# Altium PCB WatchX_Pro.PcbDoc (part 2 of 2)
Units mil, origin at the board's own origin, x right, y up, seen from the top; angles counter-clockwise.
Board outline 1290.15 x 1742.13 mil, 2 copper layers (Top Layer, Bottom Layer); 83 components, 60 nets, 312 pads, 112 vias.
Unrouted connection lines stored in the file: 11.
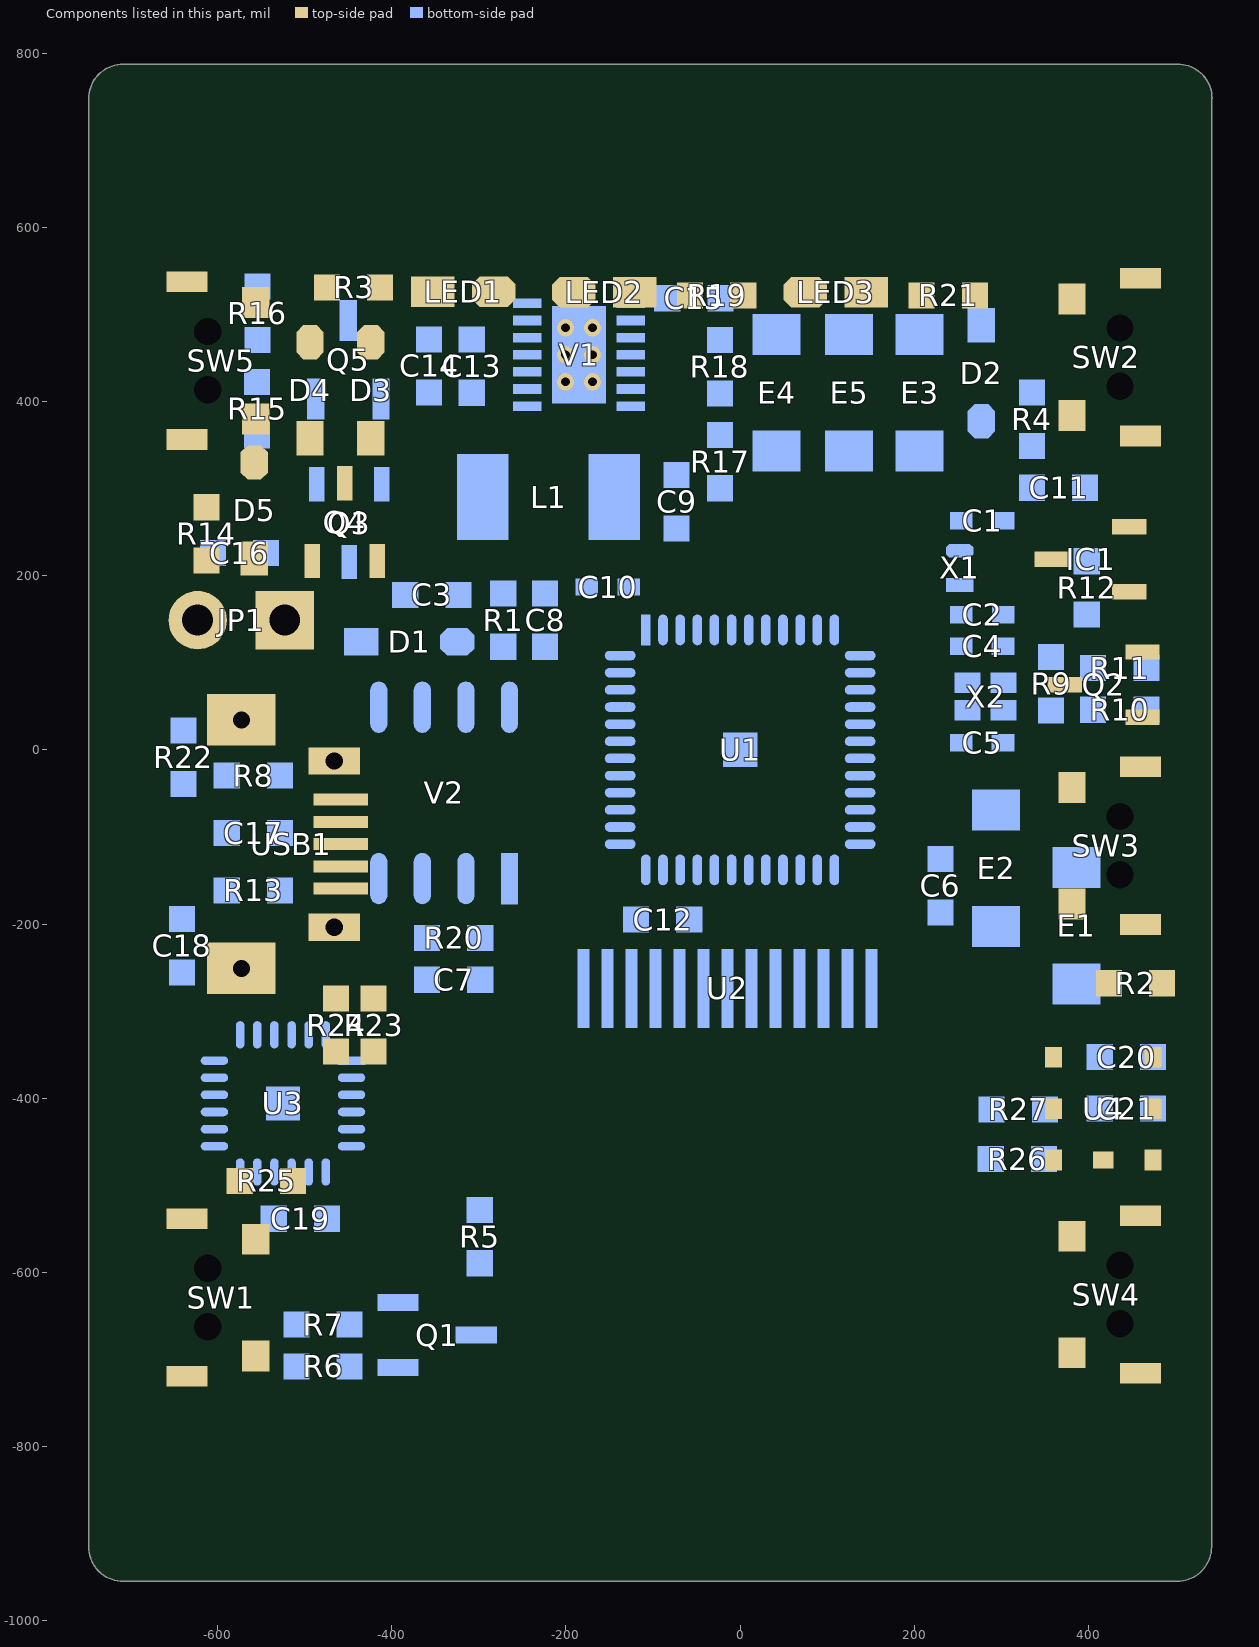
[diagram p2: the components of this part, seen from the top]

## Via types
v1: diameter 16, hole 8, Top Layer to Bottom Layer, tented both sides, 105 vias
v2: diameter 24, hole 12, Top Layer to Bottom Layer, tented both sides, 7 vias

## Nets (pads, with @x,y where several pads share a name; then routed paths per layer and width w, separated by ;. In a path a pad name is that pad's centre, name@x,y a point inside that pad or via, vN(x,y) a via of type N, cw(c..) or ccw(c..) an arc to the next point about the centre after c; other vN are vias at no path point) (continued)
copper on no net: | length 15235
  Bottom Layer w1: 172.58,-744 265.58,-744 ; 172.58,-611 275.58,-611 ; 173.58,-743 276.58,-743 ; 173.58,-612 276.58,-612 ; 174.58,-742 279.58,-742 ; 174.58,-614 280.58,-614 ; 174.58,-613 278.58,-613 ; 175.58,-741 282.58,-741 ; 175.58,-740 283.58,-740 ; 175.58,-615 282.58,-615 ; 176.58,-739 182.58,-739 ; 176.58,-738 183.58,-738 ; 176.58,-617 183.58,-617 ; 176.58,-616 182.58,-616 ; 177.58,-737 183.58,-737 ; 177.58,-618 183.58,-618 ; 178.58,-736 184.58,-736 ; 178.58,-619 184.58,-619 ; 179.58,-735 185.58,-735 ; 179.58,-734 185.58,-734 ; 179.58,-621 185.58,-621 ; 179.58,-620 185.58,-620 ; 180.58,-733 186.58,-733 ; 180.58,-623 186.58,-623 ; 180.58,-622 186.58,-622 ; 181.58,-732 187.58,-732 ; 181.58,-731 187.58,-731 ; 181.58,-624 187.58,-624 ; 182.58,-730 187.58,-730 ; 182.58,-729 188.58,-729 ; 182.58,-626 188.58,-626 ; 182.58,-625 187.58,-625 ; 183.58,-728 189.58,-728 ; 183.58,-627 189.58,-627 ; 184.58,-727 190.58,-727 ; 184.58,-726 190.58,-726 ; 184.58,-629 190.58,-629 ; 184.58,-628 190.58,-628 ; 185.58,-725 191.58,-725 ; 185.58,-724 192.58,-724 ; 185.58,-631 192.58,-631 ; 185.58,-630 191.58,-630 ; 186.58,-723 193.58,-723 ; 186.58,-632 193.58,-632 ; 187.58,-722 193.58,-722 ; 187.58,-721 194.58,-721 ; 187.58,-634 194.58,-634 ; 187.58,-633 193.58,-633 ; 188.58,-720 194.58,-720 ; 188.58,-635 194.58,-635 ; 189.58,-719 195.58,-719 ; 189.58,-637 196.58,-637 ; 189.58,-636 195.58,-636 ; 190.58,-718 196.58,-718 ; 190.58,-717 196.58,-717 ; 190.58,-716 197.58,-716 ; 190.58,-639 197.58,-639 ; 190.58,-638 196.58,-638 ; 192.58,-715 198.58,-715 ; 192.58,-714 198.58,-714 ; 192.58,-641 198.58,-641 ; 192.58,-640 198.58,-640 ; 193.58,-713 199.58,-713 ; 193.58,-712 199.58,-712 ; 193.58,-643 199.58,-643 ; 193.58,-642 199.58,-642 ; 194.58,-711 200.58,-711 ; 194.58,-644 200.58,-644 ; 195.58,-710 201.58,-710 ; 195.58,-709 201.58,-709 ; 195.58,-646 201.58,-646 ; 195.58,-645 201.58,-645 ; 196.58,-708 202.58,-708 ; 196.58,-647 202.58,-647 ; 197.58,-707 203.58,-707 ; 197.58,-706 203.58,-706 ; 197.58,-649 203.58,-649 ; 197.58,-648 203.58,-648 ; 198.58,-705 205.58,-705 ; 198.58,-704 205.58,-704 ; 198.58,-651 205.58,-651 ; 198.58,-650 204.58,-650 ; 199.58,-703 205.58,-703 ; 199.58,-652 205.58,-652 ; 200.58,-702 206.58,-702 ; 200.58,-701 207.58,-701 ; 200.58,-654 207.58,-654 ; 200.58,-653 206.58,-653 ; 201.58,-700 207.58,-700 ; 201.58,-656 208.58,-656 ; 201.58,-655 207.58,-655 ; 202.58,-699 208.58,-699 ; 202.58,-698 209.58,-698 ; 202.58,-657 208.58,-657 ; 203.58,-697 209.58,-697 ; 203.58,-658 209.58,-658 ; 204.58,-696 210.58,-696 ; 204.58,-659 210.58,-659 ; 205.58,-695 211.58,-695 ; 205.58,-694 211.58,-694 ; 205.58,-661 211.58,-661 ; 205.58,-660 211.58,-660 ; 206.58,-693 212.58,-693 ; 206.58,-692 212.58,-692 ; 206.58,-663 212.58,-663 ; 206.58,-662 212.58,-662 ; 207.58,-691 213.58,-691 ; 207.58,-665 213.58,-665 ; 207.58,-664 213.58,-664 ; 208.58,-690 213.58,-690 ; 208.58,-689 214.58,-689 ; 208.58,-666 214.58,-666 ; 209.58,-688 215.58,-688 ; 209.58,-687 215.58,-687 ; 209.58,-668 215.58,-668 ; 209.58,-667 215.58,-667 ; 210.58,-686 216.58,-686 ; 210.58,-669 216.58,-669 ; 211.58,-685 217.58,-685 ; 211.58,-684 218.58,-684 ; 211.58,-671 218.58,-671 ; 211.58,-670 217.58,-670 ; 212.58,-683 219.58,-683 ; 212.58,-672 218.58,-672 ; 213.58,-682 219.58,-682 ; 213.58,-681 220.58,-681 ; 213.58,-674 220.58,-674 ; 213.58,-673 219.58,-673 ; 214.58,-680 220.58,-680 ; 214.58,-676 221.58,-676 ; 214.58,-675 220.58,-675 ; 215.58,-679 221.58,-679 ; 215.58,-678 222.58,-678 ; 215.58,-677 221.58,-677 ; 224.58,-706 239.58,-706 ; 224.58,-705 238.58,-705 ; 224.58,-704 238.58,-704 ; 224.58,-703 238.58,-703 ; 224.58,-702 237.58,-702 ; 224.58,-701 231.58,-701 ; 225.58,-708 240.58,-708 ; 225.58,-707 239.58,-707 ; 225.58,-700 230.58,-700 ; 226.58,-710 241.58,-710 ; 226.58,-709 240.58,-709 ; 227.58,-711 241.58,-711 ; 227.58,-699 228.58,-699 ; 227.58,-681 242.58,-681 ; 227.58,-680 241.58,-680 ; 227.58,-679 240.58,-679 ; 227.58,-678 240.58,-678 ; 227.58,-677 240.58,-677 ; 227.58,-676 240.58,-676 ; 227.58,-675 239.58,-675 ; 227.58,-674 240.58,-674 ; 227.58,-673 262.58,-673 ; 228.58,-712 241.58,-712 ; 228.58,-690 234.58,-690 ; 228.58,-689 234.58,-689 ; 228.58,-688 234.58,-688 ; 228.58,-687 247.58,-687 ; 228.58,-686 246.58,-686 ; 228.58,-685 245.58,-685 ; 228.58,-684 244.58,-684 ; 228.58,-683 243.58,-683 ; 228.58,-682 242.58,-682 ; 228.58,-672 261.58,-672 ; 228.58,-671 260.58,-671 ; 228.58,-670 259.58,-670 ; 228.58,-669 258.58,-669 ; 228.58,-668 257.58,-668 ; 228.58,-667 255.58,-667 ; 228.58,-666 254.58,-666 ; 228.58,-665 252.58,-665 ; 228.58,-664 251.58,-664 ; 229.58,-714 243.58,-714 ; 229.58,-713 242.58,-713 ; 229.58,-694 235.58,-694 ; 229.58,-693 235.58,-693 ; 229.58,-692 234.58,-692 ; 229.58,-691 234.58,-691 ; 229.58,-663 250.58,-663 ; 229.58,-662 247.58,-662 ; 229.58,-661 246.58,-661 ; 229.58,-660 235.58,-660 ; 230.58,-697 236.58,-697 ; 230.58,-696 235.58,-696 ; 230.58,-695 235.58,-695 ; 230.58,-659 235.58,-659 ; 230.58,-658 235.58,-658 ; 231.58,-715 243.58,-715 ; 231.58,-700 237.58,-700 ; 231.58,-699 236.58,-699 ; 231.58,-698 236.58,-698 ; 231.58,-657 236.58,-657 ; 231.58,-656 236.58,-656 ; 231.58,-655 236.58,-655 ; 231.58,-654 237.58,-654 ; 232.58,-717 245.58,-717 ; 232.58,-716 245.58,-716 ; 232.58,-701 237.58,-701 ; 232.58,-653 237.58,-653 ; 232.58,-652 237.58,-652 ; 232.58,-651 238.58,-651 ; 233.58,-719 247.58,-719 ; 233.58,-718 246.58,-718 ; 233.58,-650 238.58,-650 ; 233.58,-649 238.58,-649 ; 233.58,-648 239.58,-648 ; 234.58,-720 248.58,-720 ; 234.58,-647 239.58,-647 ; 234.58,-646 240.58,-646 ; 234.58,-645 240.58,-645 ; 235.58,-721 249.58,-721 ; 235.58,-688 248.58,-688 ; 235.58,-644 241.58,-644 ; 235.58,-643 241.58,-643 ; 236.58,-722 250.58,-722 ; 236.58,-690 250.58,-690 ; 236.58,-689 249.58,-689 ; 236.58,-642 242.58,-642 ; 237.58,-723 252.58,-723 ; 237.58,-691 250.58,-691 ; 237.58,-660 241.58,-660 ; 237.58,-641 242.58,-641 ; 237.58,-640 243.58,-640 ; 238.58,-724 253.58,-724 ; 238.58,-692 250.58,-692 ; 238.58,-639 243.58,-639 ; 238.58,-638 245.58,-638 ; 238.58,-637 245.58,-637 ; 239.58,-725 254.58,-725 ; 239.58,-693 250.58,-693 ; 239.58,-636 245.58,-636 ; 240.58,-726 255.58,-726 ; 240.58,-694 250.58,-694 ; 240.58,-635 246.58,-635 ; 240.58,-634 247.58,-634 ; 241.58,-727 257.58,-727 ; 241.58,-695 250.58,-695 ; 241.58,-633 247.58,-633 ; 241.58,-632 248.58,-632 ; 242.58,-728 259.58,-728 ; 242.58,-696 249.58,-696 ; 242.58,-631 249.58,-631 ; 243.58,-729 261.58,-729 ; 243.58,-630 250.58,-630 ; 244.58,-697 249.58,-697 ; 244.58,-629 251.58,-629 ; 244.58,-592 257.58,-592 ; 244.58,-591 257.58,-591 ; 244.58,-590 257.58,-590 ; 244.58,-589 256.58,-589 ; 244.58,-588 257.58,-588 ; 244.58,-587 257.58,-587 ; 245.58,-730 263.58,-730 ; 245.58,-674 264.58,-674 ; 245.58,-628 252.58,-628 ; 245.58,-596 259.58,-596 ; 245.58,-595 258.58,-595 ; 245.58,-594 258.58,-594 ; 245.58,-593 258.58,-593 ; 245.58,-586 257.58,-586 ; 245.58,-585 258.58,-585 ; 245.58,-584 258.58,-584 ; 245.58,-583 259.58,-583 ; 245.58,-582 259.58,-582 ; 246.58,-732 289.58,-732 ; 246.58,-731 289.58,-731 ; 246.58,-627 253.58,-627 ; 246.58,-599 260.58,-599 ; 246.58,-598 260.58,-598 ; 246.58,-597 259.58,-597 ; 246.58,-581 260.58,-581 ; 246.58,-580 261.58,-580 ; 247.58,-733 289.58,-733 ; 247.58,-675 265.58,-675 ; 247.58,-626 253.58,-626 ; 247.58,-602 263.58,-602 ; 247.58,-601 262.58,-601 ; 247.58,-600 261.58,-600 ; 247.58,-579 263.58,-579 ; 247.58,-578 264.58,-578 ; 247.58,-577 289.58,-577 ; 248.58,-734 288.58,-734 ; 248.58,-676 266.58,-676 ; 248.58,-625 254.58,-625 ; 248.58,-624 255.58,-624 ; 248.58,-603 271.58,-603 ; 248.58,-576 290.58,-576 ; 249.58,-623 256.58,-623 ; 249.58,-605 269.58,-605 ; 249.58,-604 269.58,-604 ; 249.58,-575 290.58,-575 ; 250.58,-735 288.58,-735 ; 250.58,-678 267.58,-678 ; 250.58,-677 266.58,-677 ; 250.58,-622 258.58,-622 ; 250.58,-606 268.58,-606 ; 250.58,-574 291.58,-574 ; 251.58,-736 287.58,-736 ; 251.58,-621 259.58,-621 ; 251.58,-607 268.58,-607 ; 251.58,-573 285.58,-573 ; 252.58,-679 268.58,-679 ; 252.58,-620 260.58,-620 ; 252.58,-609 279.58,-609 ; 252.58,-608 281.58,-608 ; 252.58,-572 284.58,-572 ; 253.58,-737 286.58,-737 ; 253.58,-680 269.58,-680 ; 253.58,-619 261.58,-619 ; 253.58,-610 276.58,-610 ; 253.58,-571 283.58,-571 ; 253.58,-570 282.58,-570 ; 254.58,-681 269.58,-681 ; 254.58,-618 262.58,-618 ; 254.58,-569 281.58,-569 ; 255.58,-738 286.58,-738 ; 255.58,-683 272.58,-683 ; 255.58,-682 271.58,-682 ; 255.58,-617 288.58,-617 ; 256.58,-739 285.58,-739 ; 256.58,-568 279.58,-568 ; 257.58,-684 273.58,-684 ; 257.58,-616 285.58,-616 ; 258.58,-685 273.58,-685 ; 259.58,-746 266.58,-746 ; 259.58,-745 265.58,-745 ; 259.58,-686 274.58,-686 ; 259.58,-567 277.58,-567 ; 260.58,-747 266.58,-747 ; 260.58,-687 275.58,-687 ; 261.58,-748 267.58,-748 ; 261.58,-689 276.58,-689 ; 261.58,-688 276.58,-688 ; 261.58,-566 275.58,-566 ; 262.58,-750 268.58,-750 ; 262.58,-749 268.58,-749 ; 262.58,-691 278.58,-691 ; 262.58,-690 277.58,-690 ; 263.58,-751 269.58,-751 ; 263.58,-692 278.58,-692 ; 263.58,-618 291.58,-618 ; 264.58,-752 271.58,-752 ; 264.58,-693 279.58,-693 ; 264.58,-619 295.58,-619 ; 265.58,-754 272.58,-754 ; 265.58,-753 271.58,-753 ; 265.58,-695 280.58,-695 ; 265.58,-694 279.58,-694 ; 265.58,-602 272.58,-602 ; 265.58,-601 272.58,-601 ; 265.58,-565 271.58,-565 ; 266.58,-755 273.58,-755 ; 266.58,-744 277.58,-744 ; 266.58,-697 281.58,-697 ; 266.58,-696 280.58,-696 ; 266.58,-620 299.58,-620 ; 266.58,-600 273.58,-600 ; 267.58,-757 274.58,-757 ; 267.58,-756 273.58,-756 ; 267.58,-745 279.58,-745 ; 267.58,-698 281.58,-698 ; 267.58,-621 302.58,-621 ; 267.58,-599 273.58,-599 ; 268.58,-758 275.58,-758 ; 268.58,-746 281.58,-746 ; 268.58,-700 283.58,-700 ; 268.58,-699 282.58,-699 ; 268.58,-598 274.58,-598 ; 268.58,-597 275.58,-597 ; 269.58,-760 276.58,-760 ; 269.58,-759 275.58,-759 ; 269.58,-702 284.58,-702 ; 269.58,-701 283.58,-701 ; 269.58,-622 318.58,-622 ; 269.58,-596 275.58,-596 ; 269.58,-595 276.58,-595 ; 270.58,-761 276.58,-761 ; 270.58,-703 285.58,-703 ; 271.58,-762 277.58,-762 ; 271.58,-747 284.58,-747 ; 271.58,-705 285.58,-705 ; 271.58,-704 285.58,-704 ; 271.58,-623 319.58,-623 ; 271.58,-607 285.58,-607 ; 271.58,-594 277.58,-594 ; 272.58,-763 278.58,-763 ; 272.58,-707 286.58,-707 ; 272.58,-706 286.58,-706 ; 272.58,-593 278.58,-593 ; 272.58,-592 278.58,-592 ; 272.58,-578 290.58,-578 ; 273.58,-765 280.58,-765 ; 273.58,-764 279.58,-764 ; 273.58,-748 288.58,-748 ; 273.58,-730 290.58,-730 ; 273.58,-710 287.58,-710 ; 273.58,-709 287.58,-709 ; 273.58,-708 287.58,-708 ; 273.58,-624 320.58,-624 ; 273.58,-606 288.58,-606 ; 273.58,-591 279.58,-591 ; 273.58,-590 280.58,-590 ; 273.58,-579 291.58,-579 ; 274.58,-766 280.58,-766 ; 274.58,-729 290.58,-729 ; 274.58,-712 288.58,-712 ; 274.58,-711 288.58,-711 ; 274.58,-625 324.58,-625 ; 274.58,-589 280.58,-589 ; 274.58,-580 292.58,-580 ; 275.58,-768 282.58,-768 ; 275.58,-767 281.58,-767 ; 275.58,-749 293.58,-749 ; 275.58,-728 290.58,-728 ; 275.58,-715 289.58,-715 ; 275.58,-714 289.58,-714 ; 275.58,-713 288.58,-713 ; 275.58,-605 308.58,-605 ; 275.58,-588 281.58,-588 ; 276.58,-769 282.58,-769 ; 276.58,-727 290.58,-727 ; 276.58,-726 290.58,-726 ; 276.58,-725 290.58,-725 ; 276.58,-724 290.58,-724 ; 276.58,-721 290.58,-721 ; 276.58,-720 290.58,-720 ; 276.58,-719 290.58,-719 ; 276.58,-718 289.58,-718 ; 276.58,-717 289.58,-717 ; 276.58,-716 289.58,-716 ; 276.58,-587 297.58,-587 ; 276.58,-586 297.58,-586 ; 276.58,-581 293.58,-581 ; 277.58,-770 284.58,-770 ; 277.58,-750 300.58,-750 ; 277.58,-723 290.58,-723 ; 277.58,-722 290.58,-722 ; 277.58,-626 334.58,-626 ; 277.58,-604 308.58,-604 ; 277.58,-585 296.58,-585 ; 277.58,-582 294.58,-582 ; 278.58,-772 285.58,-772 ; 278.58,-771 285.58,-771 ; 278.58,-584 295.58,-584 ; 278.58,-583 294.58,-583 ; 279.58,-774 286.58,-774 ; 279.58,-773 286.58,-773 ; 279.58,-627 344.58,-627 ; 280.58,-775 287.58,-775 ; 280.58,-751 332.58,-751 ; 280.58,-603 332.58,-603 ; 281.58,-776 288.58,-776 ; 281.58,-628 356.58,-628 ; 282.58,-778 289.58,-778 ; 282.58,-777 288.58,-777 ; 282.58,-588 298.58,-588 ; 283.58,-589 299.58,-589 ; 284.58,-779 290.58,-779 ; 284.58,-752 329.58,-752 ; 284.58,-629 373.58,-629 ; 284.58,-602 329.58,-602 ; 284.58,-590 300.58,-590 ; 285.58,-781 291.58,-781 ; 285.58,-780 290.58,-780 ; 285.58,-591 300.58,-591 ; 286.58,-782 292.58,-782 ; 286.58,-700 296.58,-700 ; 286.58,-699 295.58,-699 ; 286.58,-698 294.58,-698 ; 286.58,-697 294.58,-697 ; 286.58,-696 293.58,-696 ; 286.58,-695 292.58,-695 ; 286.58,-694 291.58,-694 ; 286.58,-593 302.58,-593 ; 286.58,-592 301.58,-592 ; 286.58,-573 292.58,-573 ; 287.58,-784 293.58,-784 ; 287.58,-783 293.58,-783 ; 287.58,-753 326.58,-753 ; 287.58,-702 298.58,-702 ; 287.58,-701 297.58,-701 ; 287.58,-594 303.58,-594 ; 287.58,-572 293.58,-572 ; 287.58,-571 293.58,-571 ; 288.58,-786 295.58,-786 ; 288.58,-785 294.58,-785 ; 288.58,-705 299.58,-705 ; 288.58,-704 299.58,-704 ; 288.58,-703 298.58,-703 ; 288.58,-630 379.58,-630 ; 288.58,-601 325.58,-601 ; 288.58,-596 303.58,-596 ; 288.58,-595 303.58,-595 ; 288.58,-570 294.58,-570 ; 288.58,-569 295.58,-569 ; 289.58,-787 295.58,-787 ; 289.58,-706 300.58,-706 ; 289.58,-598 304.58,-598 ; 289.58,-597 304.58,-597 ; 289.58,-568 295.58,-568 ; 290.58,-789 297.58,-789 ; 290.58,-788 296.58,-788 ; 290.58,-708 301.58,-708 ; 290.58,-707 301.58,-707 ; 290.58,-631 381.58,-631 ; 290.58,-600 319.58,-600 ; 290.58,-599 314.58,-599 ; 290.58,-567 297.58,-567 ; 291.58,-790 298.58,-790 ; 291.58,-754 321.58,-754 ; 291.58,-709 302.58,-709 ; 291.58,-566 297.58,-566 ; 291.58,-565 298.58,-565 ; 292.58,-791 299.58,-791 ; 292.58,-711 304.58,-711 ; 292.58,-710 303.58,-710 ; 292.58,-564 299.58,-564 ; 293.58,-792 300.58,-792 ; 293.58,-712 305.58,-712 ; 293.58,-563 300.58,-563 ; 294.58,-794 301.58,-794 ; 294.58,-793 300.58,-793 ; 294.58,-714 306.58,-714 ; 294.58,-713 306.58,-713 ; 294.58,-671 319.58,-671 ; 294.58,-670 318.58,-670 ; 294.58,-669 317.58,-669 ; 294.58,-668 315.58,-668 ; 294.58,-667 313.58,-667 ; 294.58,-607 310.58,-607 ; 294.58,-606 309.58,-606 ; 294.58,-562 300.58,-562 ; 294.58,-561 301.58,-561 ; 295.58,-795 301.58,-795 ; 295.58,-715 307.58,-715 ; 295.58,-673 322.58,-673 ; 295.58,-672 321.58,-672 ; 295.58,-666 312.58,-666 ; 295.58,-632 382.58,-632 ; 295.58,-608 310.58,-608 ; 295.58,-560 302.58,-560 ; 296.58,-796 302.58,-796 ; 296.58,-716 308.58,-716 ; 296.58,-674 324.58,-674 ; 296.58,-665 310.58,-665 ; 296.58,-609 311.58,-609 ; 296.58,-559 302.58,-559 ; 297.58,-798 304.58,-798 ; 297.58,-797 303.58,-797 ; 297.58,-718 310.58,-718 ; 297.58,-717 310.58,-717 ; 297.58,-676 326.58,-676 ; 297.58,-675 325.58,-675 ; 297.58,-664 308.58,-664 ; 297.58,-611 312.58,-611 ; 297.58,-610 312.58,-610 ; 297.58,-558 303.58,-558 ; 297.58,-557 304.58,-557 ; 298.58,-799 304.58,-799 ; 298.58,-719 311.58,-719 ; 298.58,-678 328.58,-678 ; 298.58,-677 328.58,-677 ; 298.58,-663 306.58,-663 ; 298.58,-612 313.58,-612 ; 298.58,-556 304.58,-556 ; 299.58,-800 305.58,-800 ; 299.58,-755 314.58,-755 ; 299.58,-721 314.58,-721 ; 299.58,-720 312.58,-720 ; 299.58,-679 329.58,-679 ; 299.58,-614 314.58,-614 ; 299.58,-613 313.58,-613 ; 299.58,-555 305.58,-555 ; 300.58,-802 306.58,-802 ; 300.58,-801 306.58,-801 ; 300.58,-722 315.58,-722 ; 300.58,-680 330.58,-680 ; 300.58,-633 382.58,-633 ; 300.58,-616 315.58,-616 ; 300.58,-615 314.58,-615 ; 300.58,-554 306.58,-554 ; 300.58,-553 306.58,-553 ; 301.58,-804 313.58,-804 ; 301.58,-803 313.58,-803 ; 301.58,-723 335.58,-723 ; 301.58,-682 333.58,-682 ; 301.58,-681 332.58,-681 ; 301.58,-617 315.58,-617 ; 301.58,-552 313.58,-552 ; 302.58,-805 312.58,-805 ; 302.58,-725 335.58,-725 ; 302.58,-724 335.58,-724 ; 302.58,-683 316.58,-683 ; 302.58,-619 316.58,-619 ; 302.58,-618 316.58,-618 ; 302.58,-551 312.58,-551 ; 302.58,-550 312.58,-550 ; 303.58,-806 311.58,-806 ; 303.58,-726 335.58,-726 ; 303.58,-684 317.58,-684 ; 303.58,-634 382.58,-634 ; 303.58,-621 317.58,-621 ; 303.58,-620 317.58,-620 ; 303.58,-549 311.58,-549 ; 304.58,-807 310.58,-807 ; 304.58,-686 318.58,-686 ; 304.58,-685 317.58,-685 ; 304.58,-548 310.58,-548 ; 305.58,-809 308.58,-809 ; 305.58,-808 309.58,-808 ; 305.58,-727 335.58,-727 ; 305.58,-687 319.58,-687 ; 305.58,-547 309.58,-547 ; 305.58,-546 308.58,-546 ; 306.58,-810 308.58,-810 ; 306.58,-728 335.58,-728 ; 306.58,-688 319.58,-688 ; 306.58,-545 307.58,-545 ; 307.58,-802 314.58,-802 ; 307.58,-729 335.58,-729 ; 307.58,-690 320.58,-690 ; 307.58,-689 320.58,-689 ; 307.58,-553 314.58,-553 ; 308.58,-801 315.58,-801 ; 308.58,-730 335.58,-730 ; 308.58,-692 321.58,-692 ; 308.58,-691 321.58,-691 ; 308.58,-635 382.58,-635 ; 308.58,-554 315.58,-554 ; 309.58,-800 315.58,-800 ; 309.58,-731 334.58,-731 ; 309.58,-693 322.58,-693 ; 309.58,-555 315.58,-555 ; 310.58,-799 316.58,-799 ; 310.58,-798 316.58,-798 ; 310.58,-732 334.58,-732 ; 310.58,-694 322.58,-694 ; 310.58,-557 316.58,-557 ; 310.58,-556 316.58,-556 ; 311.58,-797 317.58,-797 ; 311.58,-733 334.58,-733 ; 311.58,-696 324.58,-696 ; 311.58,-695 323.58,-695 ; 311.58,-558 317.58,-558 ; 312.58,-796 318.58,-796 ; 312.58,-734 333.58,-734 ; 312.58,-698 325.58,-698 ; 312.58,-697 324.58,-697 ; 312.58,-636 382.58,-636 ; 312.58,-560 319.58,-560 ; 312.58,-559 318.58,-559 ; 313.58,-795 319.58,-795 ; 313.58,-794 319.58,-794 ; 313.58,-750 335.58,-750 ; 313.58,-700 326.58,-700 ; 313.58,-699 326.58,-699 ; 313.58,-638 382.58,-638 ; 313.58,-637 382.58,-637 ; 313.58,-604 335.58,-604 ; 313.58,-561 319.58,-561 ; 314.58,-793 320.58,-793 ; 314.58,-735 333.58,-735 ; 314.58,-701 327.58,-701 ; 314.58,-640 328.58,-640 ; 314.58,-639 328.58,-639 ; 314.58,-562 320.58,-562 ; 315.58,-792 321.58,-792 ; 315.58,-791 322.58,-791 ; 315.58,-736 332.58,-736 ; 315.58,-704 328.58,-704 ; 315.58,-703 328.58,-703 ; 315.58,-702 328.58,-702 ; 315.58,-642 329.58,-642 ; 315.58,-641 328.58,-641 ; 315.58,-564 322.58,-564 ; 315.58,-563 321.58,-563 ; 316.58,-790 322.58,-790 ; 316.58,-706 329.58,-706 ; 316.58,-705 329.58,-705 ; 316.58,-644 330.58,-644 ; 316.58,-643 329.58,-643 ; 316.58,-565 322.58,-565 ; 317.58,-789 323.58,-789 ; 317.58,-737 331.58,-737 ; 317.58,-708 330.58,-708 ; 317.58,-707 330.58,-707 ; 317.58,-683 333.58,-683 ; 317.58,-646 331.58,-646 ; 317.58,-645 330.58,-645 ; 317.58,-567 324.58,-567 ; 317.58,-566 323.58,-566 ; 318.58,-788 324.58,-788 ; 318.58,-787 325.58,-787 ; 318.58,-710 331.58,-710 ; 318.58,-709 330.58,-709 ; 318.58,-647 332.58,-647 ; 318.58,-568 325.58,-568 ; 319.58,-786 326.58,-786 ; 319.58,-785 326.58,-785 ; 319.58,-713 332.58,-713 ; 319.58,-712 332.58,-712 ; 319.58,-711 331.58,-711 ; 319.58,-684 335.58,-684 ; 319.58,-649 333.58,-649 ; 319.58,-648 332.58,-648 ; 319.58,-569 326.58,-569 ; 320.58,-784 327.58,-784 ; 320.58,-749 337.58,-749 ; 320.58,-738 330.58,-738 ; 320.58,-722 334.58,-722 ; 320.58,-715 333.58,-715 ; 320.58,-714 333.58,-714 ; 320.58,-651 333.58,-651 ; 320.58,-650 333.58,-650 ; 320.58,-605 337.58,-605 ; 320.58,-571 327.58,-571 ; 320.58,-570 326.58,-570 ; 321.58,-783 328.58,-783 ; 321.58,-721 334.58,-721 ; 321.58,-720 334.58,-720 ; 321.58,-719 334.58,-719 ; 321.58,-718 333.58,-718 ; 321.58,-717 333.58,-717 ; 321.58,-716 333.58,-716 ; 321.58,-685 335.58,-685 ; 321.58,-653 334.58,-653 ; 321.58,-652 334.58,-652 ; 321.58,-573 328.58,-573 ; 321.58,-572 327.58,-572 ; 322.58,-782 328.58,-782 ; 322.58,-781 329.58,-781 ; 322.58,-686 351.58,-686 ; 322.58,-656 336.58,-656 ; 322.58,-655 335.58,-655 ; 322.58,-654 335.58,-654 ; 322.58,-574 329.58,-574 ; 323.58,-780 330.58,-780 ; 323.58,-575 330.58,-575 ; 324.58,-779 330.58,-779 ; 324.58,-687 351.58,-687 ; 324.58,-658 337.58,-658 ; 324.58,-657 337.58,-657 ; 324.58,-576 330.58,-576 ; 325.58,-778 331.58,-778 ; 325.58,-748 340.58,-748 ; 325.58,-660 338.58,-660 ; 325.58,-659 338.58,-659 ; 325.58,-606 340.58,-606 ; 325.58,-577 331.58,-577 ; 326.58,-777 332.58,-777 ; 326.58,-688 352.58,-688 ; 326.58,-662 339.58,-662 ; 326.58,-661 339.58,-661 ; 326.58,-579 333.58,-579 ; 326.58,-578 332.58,-578 ; 327.58,-776 333.58,-776 ; 327.58,-775 333.58,-775 ; 327.58,-689 352.58,-689 ; 327.58,-664 340.58,-664 ; 327.58,-663 340.58,-663 ; 327.58,-580 333.58,-580 ; 328.58,-774 334.58,-774 ; 328.58,-690 353.58,-690 ; 328.58,-666 341.58,-666 ; 328.58,-665 341.58,-665 ; 328.58,-607 342.58,-607 ; 328.58,-581 334.58,-581 ; 329.58,-773 335.58,-773 ; 329.58,-772 335.58,-772 ; 329.58,-747 342.58,-747 ; 329.58,-691 353.58,-691 ; 329.58,-668 342.58,-668 ; 329.58,-667 342.58,-667 ; 329.58,-583 335.58,-583 ; 329.58,-582 335.58,-582 ; 330.58,-771 336.58,-771 ; 330.58,-770 337.58,-770 ; 330.58,-693 354.58,-693 ; 330.58,-692 353.58,-692 ; 330.58,-671 343.58,-671 ; 330.58,-670 343.58,-670 ; 330.58,-669 343.58,-669 ; 330.58,-585 337.58,-585 ; 330.58,-584 336.58,-584 ; 331.58,-769 338.58,-769 ; 331.58,-672 344.58,-672 ; 331.58,-608 344.58,-608 ; 331.58,-586 338.58,-586 ; 332.58,-768 339.58,-768 ; 332.58,-746 344.58,-746 ; 332.58,-694 354.58,-694 ; 332.58,-674 345.58,-674 ; 332.58,-673 344.58,-673 ; 332.58,-587 338.58,-587 ; 333.58,-767 339.58,-767 ; 333.58,-766 340.58,-766 ; 333.58,-695 355.58,-695 ; 333.58,-677 347.58,-677 ; 333.58,-676 346.58,-676 ; 333.58,-675 346.58,-675 ; 333.58,-589 340.58,-589 ; 333.58,-588 339.58,-588 ; 334.58,-765 341.58,-765 ; 334.58,-745 346.58,-745 ; 334.58,-697 355.58,-697 ; 334.58,-696 355.58,-696 ; 334.58,-679 347.58,-679 ; 334.58,-678 347.58,-678 ; 334.58,-609 346.58,-609 ; 334.58,-590 341.58,-590 ; 335.58,-764 341.58,-764 ; 335.58,-763 342.58,-763 ; 335.58,-744 346.58,-744 ; 335.58,-698 356.58,-698 ; 335.58,-682 349.58,-682 ; 335.58,-681 348.58,-681 ; 335.58,-680 348.58,-680 ; 335.58,-592 342.58,-592 ; 335.58,-591 341.58,-591 ; 336.58,-683 349.58,-683 ; 336.58,-610 347.58,-610 ; 336.58,-593 343.58,-593 ; 337.58,-762 343.58,-762 ; 337.58,-761 344.58,-761 ; 337.58,-700 357.58,-700 ; 337.58,-699 356.58,-699 ; 337.58,-685 350.58,-685 ; 337.58,-684 350.58,-684 ; 337.58,-594 343.58,-594 ; 338.58,-760 344.58,-760 ; 338.58,-743 348.58,-743 ; 338.58,-701 357.58,-701 ; 338.58,-639 381.58,-639 ; 338.58,-611 348.58,-611 ; 338.58,-595 344.58,-595 ; 339.58,-759 345.58,-759 ; 339.58,-758 346.58,-758 ; 339.58,-702 357.58,-702 ; 339.58,-596 345.58,-596 ; 340.58,-757 346.58,-757 ; 340.58,-742 350.58,-742 ; 340.58,-703 358.58,-703 ; 340.58,-612 440.58,-612 ; 340.58,-598 346.58,-598 ; 340.58,-597 346.58,-597 ; 341.58,-756 347.58,-756 ; 341.58,-755 348.58,-755 ; 341.58,-705 358.58,-705 ; 341.58,-704 358.58,-704 ; 341.58,-600 347.58,-600 ; 341.58,-599 347.58,-599 ; 342.58,-754 348.58,-754 ; 342.58,-741 439.58,-741 ; 342.58,-707 360.58,-707 ; 342.58,-706 359.58,-706 ; 342.58,-613 440.58,-613 ; 342.58,-601 348.58,-601 ; 343.58,-753 350.58,-753 ; 343.58,-752 350.58,-752 ; 343.58,-708 360.58,-708 ; 343.58,-614 439.58,-614 ; 343.58,-603 350.58,-603 ; 343.58,-602 349.58,-602 ; 344.58,-751 351.58,-751 ; 344.58,-740 438.58,-740 ; 344.58,-710 361.58,-710 ; 344.58,-709 360.58,-709 ; 344.58,-604 351.58,-604 ; 345.58,-750 352.58,-750 ; 345.58,-739 354.58,-739 ; 345.58,-711 361.58,-711 ; 345.58,-615 439.58,-615 ; 345.58,-605 351.58,-605 ; 346.58,-749 353.58,-749 ; 346.58,-712 361.58,-712 ; 346.58,-607 353.58,-607 ; 346.58,-606 353.58,-606 ; 347.58,-748 353.58,-748 ; 347.58,-747 354.58,-747 ; 347.58,-738 355.58,-738 ; 347.58,-714 363.58,-714 ; 347.58,-713 362.58,-713 ; 347.58,-616 355.58,-616 ; 347.58,-608 354.58,-608 ; 348.58,-746 355.58,-746 ; 348.58,-737 357.58,-737 ; 348.58,-716 364.58,-716 ; 348.58,-715 363.58,-715 ; 348.58,-617 357.58,-617 ; 348.58,-609 354.58,-609 ; 349.58,-745 355.58,-745 ; 349.58,-744 441.58,-744 ; 349.58,-717 364.58,-717 ; 349.58,-611 441.58,-611 ; 349.58,-610 355.58,-610 ; 350.58,-743 440.58,-743 ; 350.58,-736 370.58,-736 ; 350.58,-719 365.58,-719 ; 350.58,-718 364.58,-718 ; 350.58,-618 358.58,-618 ; 351.58,-742 440.58,-742 ; 351.58,-735 370.58,-735 ; 351.58,-721 371.58,-721 ; 351.58,-720 365.58,-720 ; 351.58,-640 380.58,-640 ; 351.58,-619 359.58,-619 ; 352.58,-722 371.58,-722 ; 353.58,-734 370.58,-734 ; 353.58,-725 368.58,-725 ; 353.58,-724 369.58,-724 ; 353.58,-723 370.58,-723 ; 353.58,-620 360.58,-620 ; 354.58,-733 369.58,-733 ; 354.58,-727 368.58,-727 ; 354.58,-726 368.58,-726 ; 354.58,-621 361.58,-621 ; 355.58,-732 369.58,-732 ; 355.58,-731 369.58,-731 ; 355.58,-729 368.58,-729 ; 355.58,-728 368.58,-728 ; 355.58,-622 363.58,-622 ; 356.58,-730 369.58,-730 ; 356.58,-623 364.58,-623 ; 357.58,-624 364.58,-624 ; 358.58,-625 365.58,-625 ; 359.58,-738 371.58,-738 ; 359.58,-737 371.58,-737 ; 359.58,-626 366.58,-626 ; 360.58,-739 371.58,-739 ; 360.58,-628 367.58,-628 ; 360.58,-627 367.58,-627 ; 366.58,-720 372.58,-720 ; 366.58,-641 379.58,-641 ; 367.58,-719 373.58,-719 ; 367.58,-718 373.58,-718 ; 368.58,-717 374.58,-717 ; 368.58,-716 374.58,-716 ; 369.58,-715 375.58,-715 ; 369.58,-714 376.58,-714 ; 370.58,-713 376.58,-713 ; 370.58,-642 377.58,-642 ; 371.58,-712 377.58,-712 ; 371.58,-711 377.58,-711 ; 371.58,-710 378.58,-710 ; 371.58,-644 378.58,-644 ; 371.58,-643 377.58,-643 ; 372.58,-709 378.58,-709 ; 372.58,-645 378.58,-645 ; 373.58,-708 378.58,-708 ; 373.58,-707 379.58,-707 ; 373.58,-647 379.58,-647 ; 373.58,-646 378.58,-646 ; 374.58,-706 379.58,-706 ; 374.58,-705 380.58,-705 ; 374.58,-704 380.58,-704 ; 374.58,-650 380.58,-650 ; 374.58,-649 380.58,-649 ; 374.58,-648 379.58,-648 ; 375.58,-703 380.58,-703 ; 375.58,-702 381.58,-702 ; 375.58,-652 381.58,-652 ; 375.58,-651 380.58,-651 ; 376.58,-701 381.58,-701 ; 376.58,-700 381.58,-700 ; 376.58,-699 382.58,-699 ; 376.58,-655 382.58,-655 ; 376.58,-654 381.58,-654 ; 376.58,-653 381.58,-653 ; 377.58,-698 382.58,-698 ; 377.58,-697 382.58,-697 ; 377.58,-696 382.58,-696 ; 377.58,-658 382.58,-658 ; 377.58,-657 382.58,-657 ; 377.58,-656 382.58,-656 ; 378.58,-695 383.58,-695 ; 378.58,-694 383.58,-694 ; 378.58,-693 383.58,-693 ; 378.58,-692 383.58,-692 ; 378.58,-691 383.58,-691 ; 378.58,-690 384.58,-690 ; 378.58,-664 384.58,-664 ; 378.58,-663 383.58,-663 ; 378.58,-662 383.58,-662 ; 378.58,-661 383.58,-661 ; 378.58,-660 383.58,-660 ; 378.58,-659 383.58,-659 ; 379.58,-689 384.58,-689 ; 379.58,-688 384.58,-688 ; 379.58,-687 384.58,-687 ; 379.58,-686 384.58,-686 ; 379.58,-685 384.58,-685 ; 379.58,-684 384.58,-684 ; 379.58,-683 384.58,-683 ; 379.58,-682 384.58,-682 ; 379.58,-681 385.58,-681 ; 379.58,-680 385.58,-680 ; 379.58,-679 385.58,-679 ; 379.58,-675 385.58,-675 ; 379.58,-674 385.58,-674 ; 379.58,-673 385.58,-673 ; 379.58,-672 384.58,-672 ; 379.58,-671 384.58,-671 ; 379.58,-670 384.58,-670 ; 379.58,-669 384.58,-669 ; 379.58,-668 384.58,-668 ; 379.58,-667 384.58,-667 ; 379.58,-666 384.58,-666 ; 379.58,-665 384.58,-665 ; 380.58,-678 385.58,-678 ; 380.58,-677 385.58,-677 ; 380.58,-676 385.58,-676 ; 392.58,-678 398.58,-678 ; 393.58,-679 399.58,-679 ; 393.58,-677 399.58,-677 ; 393.58,-676 399.58,-676 ; 394.58,-680 400.58,-680 ; 394.58,-675 400.58,-675 ; 395.58,-682 401.58,-682 ; 395.58,-681 401.58,-681 ; 395.58,-674 401.58,-674 ; 395.58,-673 401.58,-673 ; 396.58,-684 403.58,-684 ; 396.58,-683 402.58,-683 ; 396.58,-672 402.58,-672 ; 397.58,-685 403.58,-685 ; 397.58,-671 403.58,-671 ; 397.58,-670 404.58,-670 ; 398.58,-687 405.58,-687 ; 398.58,-686 404.58,-686 ; 398.58,-669 404.58,-669 ; 398.58,-668 405.58,-668 ; 399.58,-688 405.58,-688 ; 399.58,-667 405.58,-667 ; 400.58,-690 406.58,-690 ; 400.58,-689 406.58,-689 ; 400.58,-666 406.58,-666 ; 400.58,-665 407.58,-665 ; 401.58,-692 408.58,-692 ; 401.58,-691 407.58,-691 ; 401.58,-664 407.58,-664 ; 401.58,-663 408.58,-663 ; 402.58,-693 408.58,-693 ; 403.58,-694 409.58,-694 ; 403.58,-662 408.58,-662 ; 403.58,-661 409.58,-661 ; 404.58,-696 410.58,-696 ; 404.58,-695 410.58,-695 ; 404.58,-660 410.58,-660 ; 404.58,-659 410.58,-659 ; 405.58,-698 411.58,-698 ; 405.58,-697 411.58,-697 ; 405.58,-658 411.58,-658 ; 406.58,-699 412.58,-699 ; 406.58,-657 412.58,-657 ; 406.58,-656 412.58,-656 ; 407.58,-700 413.58,-700 ; 407.58,-655 413.58,-655 ; 408.58,-702 414.58,-702 ; 408.58,-701 414.58,-701 ; 408.58,-654 414.58,-654 ; 408.58,-653 414.58,-653 ; 409.58,-704 416.58,-704 ; 409.58,-703 415.58,-703 ; 409.58,-652 415.58,-652 ; 410.58,-706 417.58,-706 ; 410.58,-705 416.58,-705 ; 410.58,-651 416.58,-651 ; 410.58,-650 416.58,-650 ; 411.58,-707 417.58,-707 ; 411.58,-649 417.58,-649 ; 411.58,-648 418.58,-648 ; 412.58,-709 419.58,-709 ; 412.58,-708 418.58,-708 ; 412.58,-647 418.58,-647 ; 412.58,-646 419.58,-646 ; 413.58,-710 419.58,-710 ; 413.58,-645 419.58,-645 ; 414.58,-712 421.58,-712 ; 414.58,-711 420.58,-711 ; 414.58,-644 420.58,-644 ; 414.58,-643 421.58,-643 ; 415.58,-713 421.58,-713 ; 416.58,-714 422.58,-714 ; 416.58,-642 422.58,-642 ; 416.58,-641 422.58,-641 ; 417.58,-716 423.58,-716 ; 417.58,-715 423.58,-715 ; 417.58,-640 423.58,-640 ; 417.58,-639 423.58,-639 ; 418.58,-718 424.58,-718 ; 418.58,-717 424.58,-717 ; 418.58,-638 424.58,-638 ; 418.58,-637 424.58,-637 ; 419.58,-720 425.58,-720 ; 419.58,-719 425.58,-719 ; 419.58,-636 425.58,-636 ; 420.58,-721 426.58,-721 ; 420.58,-635 426.58,-635 ; 420.58,-634 426.58,-634 ; 421.58,-722 427.58,-722 ; 421.58,-633 427.58,-633 ; 422.58,-724 429.58,-724 ; 422.58,-723 428.58,-723 ; 422.58,-632 428.58,-632 ; 422.58,-631 429.58,-631 ; 423.58,-726 430.58,-726 ; 423.58,-725 429.58,-725 ; 423.58,-630 429.58,-630 ; 424.58,-727 430.58,-727 ; 424.58,-629 430.58,-629 ; 424.58,-628 431.58,-628 ; 425.58,-729 432.58,-729 ; 425.58,-728 431.58,-728 ; 425.58,-627 431.58,-627 ; 425.58,-626 432.58,-626 ; 426.58,-730 432.58,-730 ; 426.58,-625 432.58,-625 ; 426.58,-624 433.58,-624 ; 427.58,-732 433.58,-732 ; 427.58,-731 433.58,-731 ; 427.58,-623 433.58,-623 ; 428.58,-733 434.58,-733 ; 428.58,-622 434.58,-622 ; 429.58,-735 435.58,-735 ; 429.58,-734 435.58,-734 ; 429.58,-621 435.58,-621 ; 429.58,-620 435.58,-620 ; 430.58,-736 436.58,-736 ; 430.58,-619 436.58,-619 ; 431.58,-738 437.58,-738 ; 431.58,-737 437.58,-737 ; 431.58,-618 437.58,-618 ; 431.58,-617 437.58,-617 ; 432.58,-739 438.58,-739 ; 432.58,-616 438.58,-616

## Polygon pours and split planes (outlines as drawn)
GND on Bottom Layer "Bottom Layer-GND" (hatched Horizontal grid 4 track 5, remove dead copper, pour order 24): -750.98,-957.68 -750.98,784.45 538.39,784.45 538.39,-957.68
3.3V on Bottom Layer "Bottom Layer-3.3V" (solid, remove dead copper, pour order 12): -150,461.83 -150,413.69 -109.69,413.69 -91,395 -91,275.32 -5,275.31 -5,283 10,298 248,298 332,382 365,382 365,442 290.28,442 258.46,410.18 -5,410.18 -5,345 -49,345 -49,420.25 -90.2,461.45
NetL1_2 on Bottom Layer "Bottom Layer-NetL1_2" (solid, remove dead copper, pour order 6): -93.35,424.1 -93.35,221.46 -206,221.46 -206,373.72 -155.62,424.1
VCC on Bottom Layer "Bottom Layer-VCC" (solid, remove dead copper, pour order 10): -220.38,466 -219.51,422.43 -263.84,422.55 -333,353.38 -333,327 -387,273 -441,273 -441,354.16 -329.16,466
NetL1_1 on Bottom Layer "Bottom Layer-NetL1_1" (solid, remove dead copper, pour order 8): -206.69,414.83 -206.69,223.05 -337,222.96 -337,335 -292,335 -292,380 -256.89,415.11
USB_VCC on Bottom Layer "USB_VCC_L02_P004" (solid, remove dead copper, pour order 4): -553,9 -553,-60 -486.4,-60 -486.4,2 -442,46.4 -442,89 -494,89 -524,59 -524,9
BAT on Bottom Layer "Bottom Layer-BAT" (solid, remove dead copper, pour order 0): -385,-2 -442,-2 -442,88 -575,88 -575,259 -512,259 -512,200 -472,200 -472,157 -429,157 -429,247 -427,245 -385,245
NetD3_2 on Bottom Layer "Bottom Layer-NetD3_2" (solid, remove dead copper, pour order 16): -478,182.47 -478,283 -413,283 -413,182.47
GND on Top Layer "Top Layer-KEY2" (hatched Horizontal grid 4 track 5, remove dead copper, pour order 22): -748.03,-954.72 541.34,-954.72 541.34,787.4 -748.03,787.4
BAT on Top Layer "Top Layer-BAT" (hatched Horizontal grid 4 track 5, remove dead copper, pour order 20): -430.46,241.68 -430.46,177 -384,177 -384,241.68
USB_VCC on Top Layer "Top Layer-USB_VCC" (solid, remove dead copper, pour order 14): -470.87,258 -470.87,231 -447,231 -447,40 -466,40 -497,71 -492,76 -492,194 -531.35,194 -531.35,258
NetR8_1 on Top Layer "Top Layer-NetR8_1" (solid, remove dead copper, pour order 2): -617,-65 -540,-65 -397,-65 -397,-33 -498,-33 -498,-12.59 -617,-13.47
NetD3_2 on Top Layer "Top Layer-NetD3_2" (solid, remove dead copper, pour order 18): -485.5,330.12 -485.5,236 -425,236 -425,330.12
no net on Mechanical 1 (hatched Horizontal grid 4 track 5, remove dead copper): -748.03,787.4

## Other copper
Top Layer:
  text "john1175  涵尘" at -726.38,-810.04 h40
  text "WatchX_Pro" at 329.72,-821.85 h40
Bottom Layer:
  text "john1175  涵尘" at -726.38,-810.04 h40
  text "WatchX_Pro" at 329.72,-821.85 h40

## Silkscreen, mask and mechanical layers (free items; w line width, h text height)
Top Solder:
  text "john1175  涵尘" at -726.38,-810.04 h40
  text "WatchX_Pro" at 329.72,-821.85 h40
Bottom Solder:
  drawing of 1140 lines, arcs and shapes, not listed
  text "john1175  涵尘" at -726.38,-810.04 h40
  text "WatchX_Pro" at 329.72,-821.85 h40
Mechanical 1:
  lines w10: -748.17,-915.35 ccw(c-708.8,-915.35) -708.66,-954.72 501.97,-954.72 ccw(c501.97,-915.35) 541.34,-915.35 541.34,748.67 ; -748.03,-915.35 -748.03,747.97 ; -748.03,748.03 cw(c-708.72,748.03) -708.66,787.34 ; -708.6,787.4 502.6,787.4 ; 501.97,787.4 cw(c502.6,748.03) 541.97,748.03

## Text inside footprints (layer, text, board x,y; h text height)
U2: Top Overlay "1.14IPS-LCD" at -241.17,-699.2 h40
V1: Bottom Overlay "*" at -154.49,507.74 h31.25; Mechanical 1 "*" at -154.54,507.74 h31.25